# KiCad board PiEEG.kicad_pcb (continued)
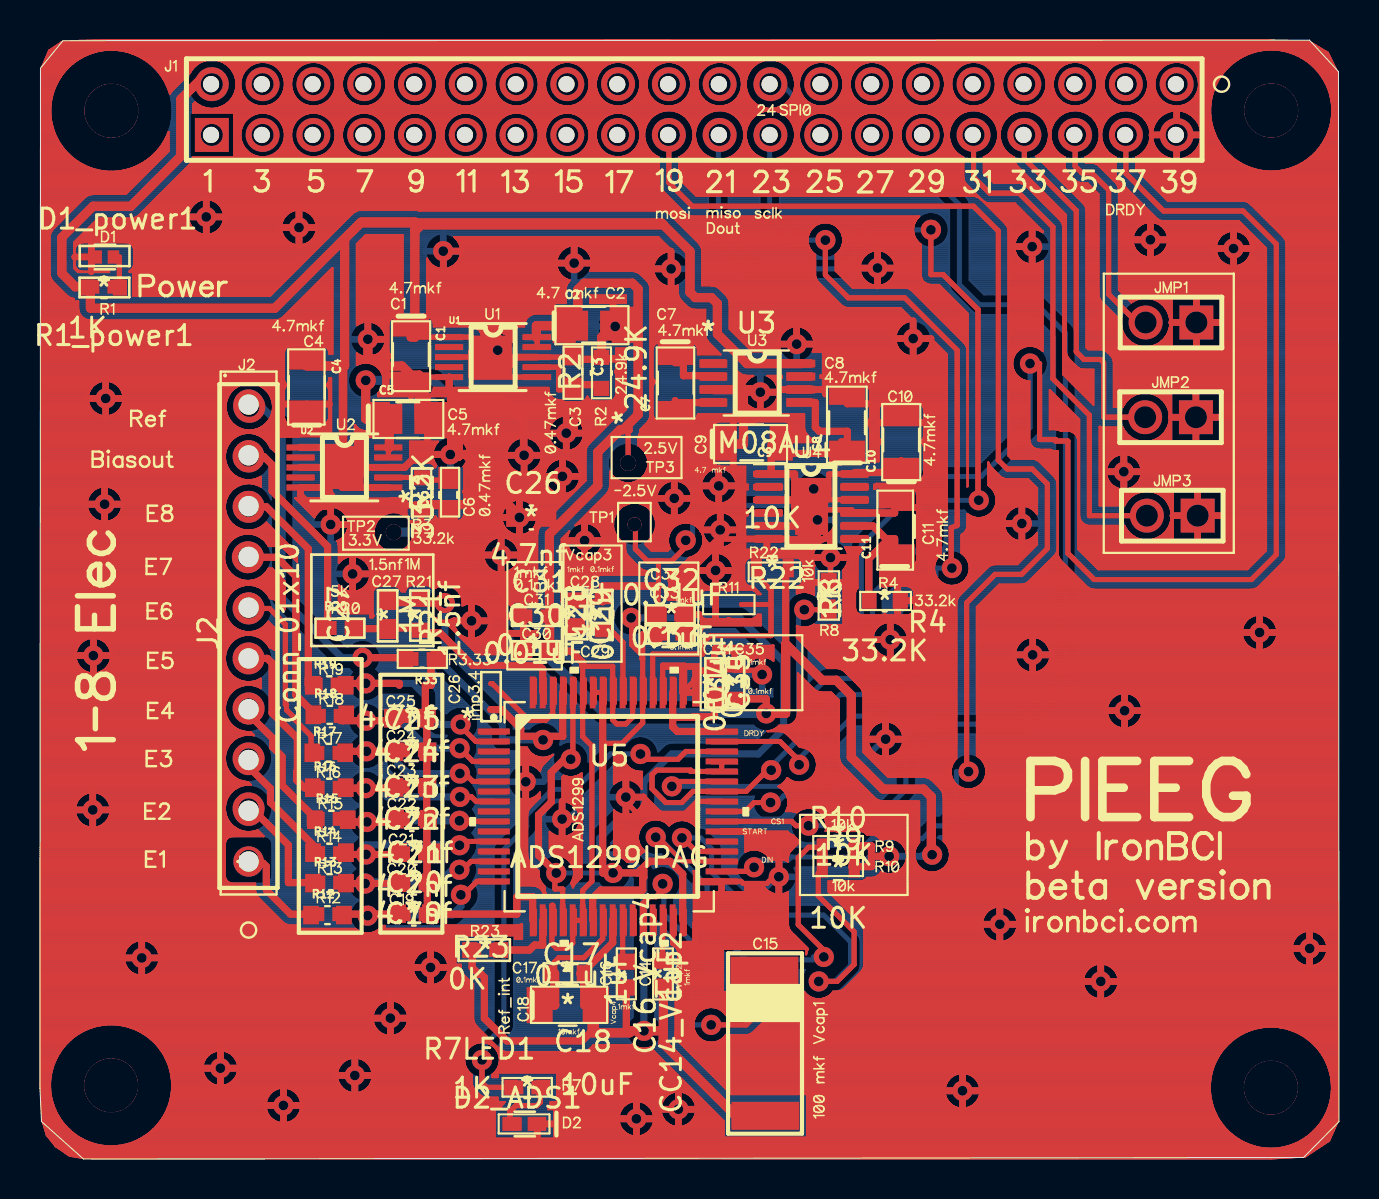
[diagram p0: board, top side]
## Routing (per net, layer and track width the routed paths; a pad name or vN(x,y) marks a point on that pad's centre or on a via; arc(x,y) is an arc through that point) (continued)
34.43,43.07 ; 34.41,43.11 34.43,43.07 ; 6.41,2.61 6.36,2.47 ; 6.41,2.61 6.36,2.47 ; 6.41,2.61 6.46,2.75 ; 6.41,2.61 6.46,2.75 ; 6.36,2.47 6.29,2.34 ; 6.36,2.47 6.29,2.34 ; 44.43,14.36 44.48,14.35 ; 44.43,14.36 44.48,14.35 ; 47.2,19.86 47.22,19.82 ; 47.2,19.86 47.22,19.82 ; 9.92,23.61 10.01,23.65 ; 9.92,23.61 9.83,23.57 ; 9.92,23.61 10.01,23.65 ; 9.92,23.61 9.83,23.57 ; 10.01,23.65 10.11,23.68 ; 10.01,23.65 10.11,23.68 ; 11.88,27.87 12.25,27.5 ; 11.88,27.87 11.81,27.93 ; 11.88,27.87 12.25,27.5 ; 11.88,27.87 11.81,27.93 ; 12.25,27.5 12.25,28.91 ; 12.25,27.5 12.25,28.91 ; 55.63,51.37 55.64,51.45 ; 55.63,51.37 55.62,51.29 ; 55.63,51.37 55.62,51.29 ; 55.63,51.37 55.64,51.45 ; 55.64,51.45 55.66,51.52 ; 55.64,51.45 55.66,51.52 ; 31.44,30.7 31.43,30.75 ; 31.44,30.7 31.43,30.75 ; 46.83,18.58 46.79,18.56 ; 46.83,18.58 46.88,18.6 ; 46.83,18.58 46.88,18.6 ; 46.83,18.58 46.79,18.56 ; 46.79,18.56 46.74,18.54 ; 46.79,18.56 46.74,18.54 ; 18.95,52.68 18.86,52.66 ; 18.95,52.68 19.05,52.7 ; 18.95,52.68 18.86,52.66 ; 18.95,52.68 19.05,52.7 ; 18.86,52.66 18.76,52.66 ; 18.86,52.66 18.76,52.66 ; 46.19,49.08 46.18,49.17 ; 46.19,49.08 46.19,49.04 ; 46.19,49.08 46.19,49.04 ; 46.19,49.08 46.18,49.17 ; 46.18,49.17 46.18,50.11 ; 46.18,49.17 46.18,50.11 ; 36.82,37.95 36.78,37.89 ; 36.82,37.95 36.78,37.89 ; 36.82,37.95 36.85,38.01 ; 36.82,37.95 36.85,38.01 ; 36.78,37.89 36.75,37.83 ; 36.78,37.89 36.75,37.83 ; 53.94,35.23 54.01,35.25 ; 53.94,35.23 54.01,35.25 ; 61.89,26.41 61.89,26.34 ; 61.89,26.41 61.88,26.48 ; 61.89,26.41 61.89,26.34 ; 61.89,26.41 61.88,26.48 ; 61.89,26.34 61.89,26.33 ; 61.89,26.34 61.89,26.33 ; 34.84,33.67 34.84,33.6 ; 34.84,33.67 34.84,33.68 ; 34.84,33.67 34.84,33.68 ; 34.84,33.67 34.84,33.6 ; 34.84,33.6 34.83,33.53 ; 34.84,33.6 34.83,33.53 ; 2,42.25 1.98,42.29 ; 2,42.25 2.03,42.21 ; 2,42.25 1.98,42.29 ; 2,42.25 2.03,42.21 ; 22.95,5.25 22.97,5.21 ; 22.95,5.25 22.93,5.3 ; 22.95,5.25 22.97,5.21 ; 22.95,5.25 22.93,5.3 ; 43.87,33.34 43.88,33.3 ; 43.87,33.34 43.88,33.3 ; 42.74,26.85 42.81,26.83 ; 42.74,26.85 42.81,26.83 ; 49.49,36.05 49.49,38.91 ; 49.49,36.05 49.49,38.91 ; 49.49,36.05 49.49,35.96 ; 49.49,36.05 49.49,35.96 ; 37.99,51.48 38.02,51.58 ; 37.99,51.48 37.97,51.38 ; 37.99,51.48 38.02,51.58 ; 37.99,51.48 37.97,51.38 ; 38.02,51.58 38.05,51.67 ; 38.02,51.58 38.05,51.67 ; 39.45,31.29 39.4,31.24 ; 39.45,31.29 39.4,31.24 ; 3.39,24.65 3.34,24.6 ; 3.39,24.65 3.43,24.71 ; 3.39,24.65 3.34,24.6 ; 3.39,24.65 3.43,24.71 ; 3.34,24.6 3.29,24.55 ; 3.34,24.6 3.29,24.55 ; 64.61,3.37 64.6,3.22 ; 64.61,3.37 64.6,3.22 ; 64.61,3.37 64.62,3.52 ; 64.61,3.37 64.62,3.52 ; 64.6,3.22 64.58,3.07 ; 64.6,3.22 64.58,3.07 ; 43.31,15.45 43.33,15.4 ; 43.31,15.45 43.33,15.4 ; 43.31,15.45 43.3,15.49 ; 43.31,15.45 43.3,15.49 ; 43.33,15.4 43.34,15.35 ; 43.33,15.4 43.34,15.35 ; 4.66,43.18 11.5,43.18 ; 4.66,43.18 4.66,44.37 ; 4.66,43.18 4.66,44.37 ; 4.66,43.18 11.5,43.18 ; 11.5,43.18 15.59,47.27 ; 11.5,43.18 15.59,47.27 ; 54.93,33.85 54.88,33.8 ; 54.93,33.85 54.88,33.8 ; 54.88,33.8 54.84,33.75 ; 54.88,33.8 54.84,33.75 ; 21.04,45.6 21.05,45.53 ; 21.04,45.6 21.05,45.53 ; 21.04,45.6 21.03,45.67 ; 21.04,45.6 21.03,45.67 ; 21.05,45.53 21.06,45.46 ; 21.05,45.53 21.06,45.46 ; 21,45.74 21.03,45.67 ; 21,45.74 20.98,45.8 ; 21,45.74 20.98,45.8 ; 21,45.74 21.03,45.67 ; 12.23,36.97 12.22,37.01 ; 12.23,36.97 12.25,36.93 ; 12.23,36.97 12.25,36.93 ; 12.23,36.97 12.22,37.01 ; 12.22,37.01 12.21,37.05 ; 12.22,37.01 12.21,37.05 ; 21.41,35.37 21.42,35.3 ; 21.41,35.37 21.4,35.44 ; 21.41,35.37 21.42,35.3 ; 21.41,35.37 21.4,35.44 ; 21.42,35.3 21.42,35.24 ; 21.42,35.3 21.42,35.24 ; 38.69,40.47 38.66,40.4 ; 38.69,40.47 38.66,40.4 ; 38.66,40.4 38.65,40.38 ; 38.66,40.4 38.65,40.38 ; 43.58,52.82 43.67,52.77 ; 43.58,52.82 43.67,52.77 ; 53.61,21.8 53.57,21.86 ; 53.61,21.8 53.66,21.76 ; 53.61,21.8 53.66,21.76 ; 53.61,21.8 53.57,21.86 ; 53.57,21.86 53.52,21.91 ; 53.57,21.86 53.52,21.91 ; 64.23,53.97 64.31,53.84 ; 64.23,53.97 64.31,53.84 ; 64.23,53.97 64.16,54.1 ; 64.23,53.97 64.16,54.1 ; 64.31,53.84 64.37,53.7 ; 64.31,53.84 64.37,53.7 ; 33.67,34.88 33.65,34.92 ; 33.67,34.88 33.68,34.85 ; 33.67,34.88 33.68,34.85 ; 33.67,34.88 33.65,34.92 ; 33.65,34.92 33.65,34.96 ; 33.65,34.92 33.65,34.96 ; 21.78,52.24 21.87,52.19 ; 21.78,52.24 21.69,52.28 ; 21.78,52.24 21.69,52.28 ; 21.78,52.24 21.87,52.19 ; 21.87,52.19 21.95,52.13 ; 21.87,52.19 21.95,52.13 ; 38.19,29.61 38.19,28.98 ; 38.19,29.61 38.19,28.98 ; 38.19,29.61 38.19,29.74 ; 38.19,29.61 38.19,29.74 ; 38.19,28.98 38.18,28.92 ; 38.19,28.98 38.18,28.92 ; 9.56,35.95 9.63,36.02 ; 9.56,35.95 9.5,35.87 ; 9.56,35.95 9.5,35.87 ; 9.56,35.95 9.63,36.02 ; 9.63,36.02 9.71,36.08 ; 9.63,36.02 9.71,36.08 ; 23.6,30.94 23.65,30.89 ; 23.6,30.94 23.65,30.89 ; 23.6,30.94 23.54,30.98 ; 23.6,30.94 23.54,30.98 ; 23.65,30.89 23.7,30.85 ; 23.65,30.89 23.7,30.85 ; 15.41,53 15.34,53.08 ; 15.41,53 15.34,53.08 ; 15.41,53 15.48,52.94 ; 15.41,53 15.48,52.94 ; 15.34,53.08 15.29,53.16 ; 15.34,53.08 15.29,53.16 ; 45.89,18.68 45.85,18.72 ; 45.89,18.68 45.93,18.65 ; 45.89,18.68 45.85,18.72 ; 45.89,18.68 45.93,18.65 ; 45.85,18.72 45.81,18.75 ; 45.85,18.72 45.81,18.75 ; 45.45,14.88 45.43,14.84 ; 45.45,14.88 45.43,14.84 ; 45.45,14.88 45.47,14.93 ; 45.45,14.88 45.47,14.93 ; 45.43,14.84 45.4,14.79 ; 45.43,14.84 45.4,14.79 ; 43.04,42.57 40.43,42.57 ; 43.04,42.57 43.68,41.94 ; 43.04,42.57 40.43,42.57 ; 43.04,42.57 43.68,41.94 ; 40.43,42.57 40.39,42.58 ; 40.43,42.57 40.39,42.58 ; 58.92,53.95 58.99,54.08 ; 58.92,53.95 58.99,54.08 ; 58.92,53.95 58.85,53.81 ; 58.92,53.95 58.85,53.81 ; 58.99,54.08 59.08,54.2 ; 58.99,54.08 59.08,54.2 ; 36.7,37.78 36.65,37.73 ; 36.7,37.78 36.75,37.83 ; 36.7,37.78 36.65,37.73 ; 36.7,37.78 36.75,37.83 ; 36.65,37.73 36.6,37.68 ; 36.65,37.73 36.6,37.68 ; 55.62,51.29 55.62,51.21 ; 55.62,51.29 55.62,51.21 ; 19.68,10.47 19.75,10.45 ; 19.68,10.47 19.61,10.47 ; 19.68,10.47 19.75,10.45 ; 19.68,10.47 19.61,10.47 ; 19.75,10.45 19.82,10.43 ; 19.75,10.45 19.82,10.43 ; 8.63,55.01 8.73,55 ; 8.63,55.01 8.53,55.01 ; 8.63,55.01 8.73,55 ; 8.63,55.01 8.53,55.01 ; 8.73,55 8.83,54.99 ; 8.73,55 8.83,54.99 ; 36.23,13.6 36.19,13.66 ; 36.23,13.6 36.27,13.55 ; 36.23,13.6 36.19,13.66 ; 36.23,13.6 36.27,13.55 ; 31.09,48.48 31.07,48.51 ; 31.09,48.48 31.07,48.51 ; 31.09,48.48 32.23,47.34 ; 31.09,48.48 32.23,47.34 ; 31.07,48.51 31.04,48.54 ; 31.07,48.51 31.04,48.54 ; 35.87,13.72 35.82,13.71 ; 35.87,13.72 35.92,13.73 ; 35.87,13.72 35.92,13.73 ; 35.87,13.72 35.82,13.71 ; 35.82,13.71 35.77,13.7 ; 35.82,13.71 35.77,13.7 ; 30.01,36.33 30,36.29 ; 30.01,36.33 30.02,36.36 ; 30.01,36.33 30,36.29 ; 30.01,36.33 30.02,36.36 ; 30,36.29 29.99,36.25 ; 30,36.29 29.99,36.25 ; 26.86,52.24 26.95,52.19 ; 26.86,52.24 26.95,52.19 ; 26.95,52.19 27.03,52.13 ; 26.95,52.19 27.03,52.13 ; 32.9,29.45 32.9,29.52 ; 32.9,29.45 32.9,29.38 ; 32.9,29.45 32.9,29.38 ; 32.9,29.45 32.9,29.52 ; 32.9,29.52 32.91,29.59 ; 32.9,29.52 32.91,29.59 ; 52.88,53.92 52.89,53.82 ; 52.88,53.92 52.89,53.82 ; 52.88,53.92 52.86,54.02 ; 52.88,53.92 52.86,54.02 ; 52.89,53.82 52.89,53.72 ; 52.89,53.82 52.89,53.72 ; 10.05,31.51 9.96,31.54 ; 10.05,31.51 9.96,31.54 ; 10.05,31.51 10.15,31.48 ; 10.05,31.51 10.15,31.48 ; 40.16,45.82 40.15,45.77 ; 40.16,45.82 40.17,45.87 ; 40.16,45.82 40.15,45.77 ; 40.16,45.82 40.17,45.87 ; 40.15,45.77 40.14,45.72 ; 40.15,45.77 40.14,45.72 ; 54.96,31.02 54.87,31.06 ; 54.96,31.02 54.87,31.06 ; 54.96,31.02 55.06,30.99 ; 54.96,31.02 55.06,30.99 ; 30.9,33.4 30.93,33.47 ; 30.9,33.4 30.88,33.34 ; 30.9,33.4 30.93,33.47 ; 30.9,33.4 30.88,33.34 ; 30.93,33.47 30.97,33.53 ; 30.93,33.47 30.97,33.53 ; 56.54,41.85 56.53,41.75 ; 56.54,41.85 56.53,41.75 ; 4.21,10.21 4.22,10.28 ; 4.21,10.21 4.2,10.14 ; 4.21,10.21 4.2,10.14 ; 4.21,10.21 4.22,10.28 ; 4.22,10.28 4.24,10.34 ; 4.22,10.28 4.24,10.34 ; 20.43,44.57 20.36,44.55 ; 20.43,44.57 20.49,44.59 ; 20.43,44.57 20.49,44.59 ; 20.43,44.57 20.36,44.55 ; 20.36,44.55 20.29,44.54 ; 20.36,44.55 20.29,44.54 ; 61.52,25.61 61.46,25.58 ; 61.52,25.61 61.46,25.58 ; 61.52,25.61 61.57,25.66 ; 61.52,25.61 61.57,25.66 ; 61.46,25.58 61.4,25.54 ; 61.46,25.58 61.4,25.54 ; 21.33,4.52 21.31,4.57 ; 21.33,4.52 21.36,4.48 ; 21.33,4.52 21.31,4.57 ; 21.33,4.52 21.36,4.48 ; 21.31,4.57 21.29,4.61 ; 21.31,4.57 21.29,4.61 ; 55.13,22.28 55.12,22.21 ; 55.13,22.28 55.14,22.35 ; 55.13,22.28 55.12,22.21 ; 55.13,22.28 55.14,22.35 ; 55.12,22.21 55.1,22.14 ; 55.12,22.21 55.1,22.14 ; 21.4,52.34 21.49,52.33 ; 21.4,52.34 21.3,52.35 ; 21.4,52.34 21.49,52.33 ; 21.4,52.34 21.3,52.35 ; 21.49,52.33 21.59,52.31 ; 21.49,52.33 21.59,52.31 ; 42.64,51.67 42.68,51.58 ; 42.64,51.67 42.68,51.58 ; 42.64,51.67 42.6,51.76 ; 42.64,51.67 42.6,51.76 ; 42.68,51.58 42.7,51.48 ; 42.68,51.58 42.7,51.48 ; 33.09,33.89 33.11,33.96 ; 33.09,33.89 33.11,33.96 ; 33.09,33.89 33.07,33.82 ; 33.09,33.89 33.07,33.82 ; 33.11,33.96 33.13,34.03 ; 33.11,33.96 33.13,34.03 ; 31.93,32.18 31.86,32.17 ; 31.93,32.18 31.86,32.17 ; 31.93,32.18 31.99,32.2 ; 31.93,32.18 31.99,32.2 ; 31.86,32.17 31.79,32.16 ; 31.86,32.17 31.79,32.16 ; 30.64,37.26 30.64,37.39 ; 30.64,37.26 30.65,37.2 ; 30.64,37.26 30.65,37.2 ; 30.64,37.26 30.64,37.39 ; 36.6,37.68 36.55,37.64 ; 36.6,37.68 36.55,37.64 ; 36.55,37.64 36.49,37.6 ; 36.55,37.64 36.49,37.6 ; 13.97,52.31 14.07,52.28 ; 13.97,52.31 13.87,52.33 ; 13.97,52.31 14.07,52.28 ; 13.97,52.31 13.87,52.33 ; 14.07,52.28 14.16,52.24 ; 14.07,52.28 14.16,52.24 ; 36.45,39.15 36.51,39.12 ; 36.45,39.15 36.38,39.18 ; 36.45,39.15 36.38,39.18 ; 36.45,39.15 36.51,39.12 ; 40.35,42.58 40.31,42.59 ; 40.35,42.58 40.39,42.58 ; 40.35,42.58 40.39,42.58 ; 40.35,42.58 40.31,42.59 ; 53.95,48.95 53.93,48.98 ; 53.95,48.95 55.8,47.1 ; 53.95,48.95 55.8,47.1 ; 53.95,48.95 53.93,48.98 ; 26.36,30.8 26.35,30.87 ; 26.36,30.8 26.37,30.73 ; 26.36,30.8 26.37,30.73 ; 26.36,30.8 26.35,30.87 ; 26.35,30.87 26.35,30.94 ; 26.35,30.87 26.35,30.94 ; 36.13,52.61 36.04,52.64 ; 36.13,52.61 36.23,52.58 ; 36.13,52.61 36.23,52.58 ; 36.13,52.61 36.04,52.64 ; 36.04,52.64 35.95,52.69 ; 36.04,52.64 35.95,52.69 ; 40.13,45.68 40.11,45.63 ; 40.13,45.68 40.14,45.72 ; 40.13,45.68 40.11,45.63 ; 40.13,45.68 40.14,45.72 ; 40.11,45.63 40.09,45.58 ; 40.11,45.63 40.09,45.58 ; 20.84,44.83 20.79,44.78 ; 20.84,44.83 20.88,44.88 ; 20.84,44.83 20.79,44.78 ; 20.84,44.83 20.88,44.88 ; 20.79,44.78 20.73,44.73 ; 20.79,44.78 20.73,44.73 ; 30.04,15.63 30.02,15.67 ; 30.04,15.63 30.02,15.67 ; 30.04,15.63 30.07,15.58 ; 30.04,15.63 30.07,15.58 ; 30.02,15.67 30,15.71 ; 30.02,15.67 30,15.71 ; 55.1,34.38 55.1,34.37 ; 55.1,34.38 55.1,34.45 ; 55.1,34.38 55.1,34.37 ; 55.1,34.38 55.1,34.45 ; 55.1,34.37 55.1,34.3 ; 55.1,34.37 55.1,34.3 ; 42.18,45.42 42.11,45.44 ; 42.18,45.42 42.11,45.44 ; 42.67,50.89 42.64,50.8 ; 42.67,50.89 42.7,50.99 ; 42.67,50.89 42.7,50.99 ; 42.67,50.89 42.64,50.8 ; 35.9,54.83 35.99,54.88 ; 35.9,54.83 35.99,54.88 ; 35.99,54.88 36.08,54.92 ; 35.99,54.88 36.08,54.92 ; 1.31,54.5 1.42,54.61 ; 1.31,54.5 1.42,54.61 ; 1.31,54.5 1.22,54.39 ; 1.31,54.5 1.22,54.39 ; 1.42,54.61 1.53,54.71 ; 1.42,54.61 1.53,54.71 ; 37.67,41.65 37.74,41.66 ; 37.67,41.65 37.74,41.66 ; 34.79,31.93 34.82,31.87 ; 34.79,31.93 34.75,31.99 ; 34.79,31.93 34.75,31.99 ; 34.79,31.93 34.82,31.87 ; 34.82,31.87 34.85,31.81 ; 34.82,31.87 34.85,31.81 ; 47.73,51.9 47.78,51.81 ; 47.73,51.9 47.68,51.98 ; 47.73,51.9 47.78,51.81 ; 47.73,51.9 47.68,51.98 ; 47.78,51.81 47.83,51.72 ; 47.78,51.81 47.83,51.72 ; 29.11,2.54 29.16,2.6 ; 29.11,2.54 29.16,2.6 ; 29.16,2.6 29.21,2.65 ; 29.16,2.6 29.21,2.65 ; 45.59,53.62 45.58,53.72 ; 45.59,53.62 45.61,53.53 ; 45.59,53.62 45.61,53.53 ; 45.59,53.62 45.58,53.72 ; 26.52,45.69 26.58,45.7 ; 26.52,45.69 26.45,45.67 ; 26.52,45.69 26.58,45.7 ; 26.52,45.69 26.45,45.67 ; 26.58,45.7 26.65,45.71 ; 26.58,45.7 26.65,45.71 ; 9.66,5.17 9.61,5.22 ; 9.66,5.17 9.61,5.22 ; 18.72,9.93 18.75,10 ; 18.72,9.93 18.69,9.87 ; 18.72,9.93 18.69,9.87 ; 18.72,9.93 18.75,10 ; 18.75,10 18.78,10.06 ; 18.75,10 18.78,10.06 ; 2.94,37.23 2.87,37.26 ; 2.94,37.23 2.87,37.26 ; 2.94,37.23 3,37.2 ; 2.94,37.23 3,37.2 ; 2.87,37.26 2.81,37.29 ; 2.87,37.26 2.81,37.29 ; 37.19,41.38 37.24,41.43 ; 37.19,41.38 37.15,41.32 ; 37.19,41.38 37.24,41.43 ; 37.19,41.38 37.15,41.32 ; 37.24,41.43 37.3,41.47 ; 37.24,41.43 37.3,41.47 ; 37.41,21.22 38.01,20.62 ; 37.41,21.22 37.34,21.28 ; 37.41,21.22 38.01,20.62 ; 37.41,21.22 37.34,21.28 ; 38.01,20.62 38.07,20.61 ; 38.01,20.62 38.07,20.61 ; 54.46,23.3 54.53,23.28 ; 54.46,23.3 54.53,23.28 ; 43.25,14.72 43.23,14.67 ; 43.25,14.72 43.28,14.76 ; 43.25,14.72 43.23,14.67 ; 43.25,14.72 43.28,14.76 ; 43.23,14.67 43.2,14.63 ; 43.23,14.67 43.2,14.63 ; 33.37,7.58 33.42,7.59 ; 33.37,7.58 33.32,7.57 ; 33.37,7.58 33.42,7.59 ; 33.37,7.58 33.32,7.57 ; 33.42,7.59 33.47,7.6 ; 33.42,7.59 33.47,7.6 ; 40.5,51.18 40.5,51.28 ; 40.5,51.18 40.51,51.08 ; 40.5,51.18 40.5,51.28 ; 40.5,51.18 40.51,51.08 ; 11.19,30.98 11.26,30.91 ; 11.19,30.98 11.26,30.91 ; 16.51,52.7 16.41,52.68 ; 16.51,52.7 16.41,52.68 ; 9.63,38.47 9.71,38.54 ; 9.63,38.47 9.57,38.4 ; 9.63,38.47 9.71,38.54 ; 9.63,38.47 9.57,38.4 ; 9.71,38.54 9.79,38.6 ; 9.71,38.54 9.79,38.6 ; 28.58,36.92 28.62,36.95 ; 28.58,36.92 27.5,35.84 ; 28.58,36.92 27.5,35.84 ; 28.58,36.92 28.62,36.95 ; 28.62,36.95 28.66,36.98 ; 28.62,36.95 28.66,36.98 ; 56.1,33.18 56.18,33.12 ; 56.1,33.18 56.18,33.12 ; 56.1,33.18 56.02,33.24 ; 56.1,33.18 56.02,33.24 ; 56.18,33.12 56.25,33.05 ; 56.18,33.12 56.25,33.05 ; 25.1,13.45 25.13,13.42 ; 25.1,13.45 25.13,13.42 ; 25.13,13.42 25.15,13.38 ; 25.13,13.42 25.15,13.38 ; 57.05,52.68 57.15,52.7 ; 57.05,52.68 57.15,52.7 ; 22.36,51.58 22.38,51.48 ; 22.36,51.58 22.32,51.67 ; 22.36,51.58 22.32,51.67 ; 22.36,51.58 22.38,51.48 ; 22.38,51.48 22.4,51.38 ; 22.38,51.48 22.4,51.38 ; 41.98,17.93 41.94,17.94 ; 41.98,17.93 41.94,17.94 ; 41.98,17.93 42.03,17.91 ; 41.98,17.93 42.03,17.91 ; 41.94,17.94 41.89,17.96 ; 41.94,17.94 41.89,17.96 ; 47.98,34.2 47.57,34.61 ; 47.98,34.2 48.04,34.13 ; 47.98,34.2 48.04,34.13 ; 47.98,34.2 47.57,34.61 ; 47.57,34.61 47.54,34.63 ; 47.57,34.61 47.54,34.63 ; 48.26,32.07 48.29,32.13 ; 48.26,32.07 48.29,32.13 ; 29.99,44.31 30.03,44.28 ; 29.99,44.31 29.95,44.34 ; 29.99,44.31 30.03,44.28 ; 29.99,44.31 29.95,44.34 ; 30.03,44.28 30.1,44.21 ; 30.03,44.28 30.1,44.21 ; 56.34,37.73 56.39,37.65 ; 56.34,37.73 56.39,37.65 ; 52.68,49.84 52.72,49.83 ; 52.68,49.84 52.64,49.84 ; 52.68,49.84 52.64,49.84 ; 52.68,49.84 52.72,49.83 ; 31.97,43.08 31.95,43.13 ; 31.97,43.08 31.99,43.04 ; 31.97,43.08 31.99,43.04 ; 31.97,43.08 31.95,43.13 ; 31.95,43.13 31.93,43.17 ; 31.95,43.13 31.93,43.17 ; 38.57,19.06 38.53,19.03 ; 38.57,19.06 38.6,19.09 ; 38.57,19.06 38.53,19.03 ; 38.57,19.06 38.6,19.09 ; 38.53,19.03 38.49,19 ; 38.53,19.03 38.49,19 ; 9.64,53.11 9.58,53.03 ; 9.64,53.11 9.58,53.03 ; 9.64,53.11 9.69,53.2 ; 9.64,53.11 9.69,53.2 ; 9.58,53.03 9.52,52.95 ; 9.58,53.03 9.52,52.95 ; 20.23,26.84 20.27,26.82 ; 20.23,26.84 20.27,26.82 ; 20.23,26.84 20.18,26.86 ; 20.23,26.84 20.18,26.86 ; 20.27,26.82 20.3,26.8 ; 20.27,26.82 20.3,26.8 ; 30.87,40.84 30.93,40.86 ; 30.87,40.84 30.93,40.86 ; 30.87,40.84 30.82,40.82 ; 30.87,40.84 30.82,40.82 ; 30.93,40.86 30.99,40.87 ; 30.93,40.86 30.99,40.87 ; 26.19,33.26 26.26,33.27 ; 26.19,33.26 26.26,33.27 ; 37.61,36.42 37.61,35.86 ; 37.61,36.42 37.61,35.86 ; 37.61,36.42 37.61,36.55 ; 37.61,36.42 37.61,36.55 ; 34.42,30.67 34.36,30.65 ; 34.42,30.67 34.48,30.71 ; 34.42,30.67 34.48,30.71 ; 34.42,30.67 34.36,30.65 ; 34.36,30.65 34.29,30.62 ; 34.36,30.65 34.29,30.62 ; 48.82,39.24 48.86,39.2 ; 48.82,39.24 48.86,39.2 ; 64.51,4.4 64.54,4.25 ; 64.51,4.4 64.54,4.25 ; 35.34,53.45 35.32,53.55 ; 35.34,53.45 35.37,53.36 ; 35.34,53.45 35.37,53.36 ; 35.34,53.45 35.32,53.55 ; 35.32,53.55 35.31,53.65 ; 35.32,53.55 35.31,53.65 ; 17.01,7.77 17.07,7.81 ; 17.01,7.77 17.07,7.81 ; 17.01,7.77 16.95,7.73 ; 17.01,7.77 16.95,7.73 ; 17.07,7.81 17.13,7.85 ; 17.07,7.81 17.13,7.85 ; 19.24,52.24 19.33,52.19 ; 19.24,52.24 19.15,52.28 ; 19.24,52.24 19.15,52.28 ; 19.24,52.24 19.33,52.19 ; 19.33,52.19 19.41,52.13 ; 19.33,52.19 19.41,52.13 ; 33.09,7.47 33.14,7.49 ; 33.09,7.47 33.14,7.49 ; 25.07,13.83 25.04,13.88 ; 25.07,13.83 25.1,13.79 ; 25.07,13.83 25.04,13.88 ; 25.07,13.83 25.1,13.79 ; 25.04,13.88 25.02,13.92 ; 25.04,13.88 25.02,13.92 ; 57.84,53.25 57.79,53.16 ; 57.84,53.25 57.88,53.34 ; 57.84,53.25 57.79,53.16 ; 57.84,53.25 57.88,53.34 ; 57.79,53.16 57.73,53.08 ; 57.79,53.16 57.73,53.08 ; 54.29,31.59 54.24,31.68 ; 54.29,31.59 54.34,31.5 ; 54.29,31.59 54.34,31.5 ; 54.29,31.59 54.24,31.68 ; 45.43,15.62 45.45,15.57 ; 45.43,15.62 45.4,15.66 ; 45.43,15.62 45.4,15.66 ; 45.43,15.62 45.45,15.57 ; 45.45,15.57 45.46,15.52 ; 45.45,15.57 45.46,15.52 ; 40.53,54.02 40.56,54.12 ; 40.53,54.02 40.51,53.92 ; 40.53,54.02 40.51,53.92 ; 40.53,54.02 40.56,54.12 ; 40.56,54.12 40.59,54.21 ; 40.56,54.12 40.59,54.21 ; 25.9,37.97 25.86,37.98 ; 25.9,37.97 26.01,37.97 ; 25.9,37.97 26.01,37.97 ; 25.9,37.97 25.86,37.98 ; 25.86,37.98 25.82,37.99 ; 25.86,37.98 25.82,37.99 ; 24.37,17.22 24.38,17.26 ; 24.37,17.22 24.37,15.25 ; 24.37,17.22 24.38,17.26 ; 24.37,17.22 24.37,15.25 ; 24.38,17.26 24.38,17.31 ; 24.38,17.26 24.38,17.31 ; 53.12,36.61 53.08,36.61 ; 53.12,36.61 53.16,36.6 ; 53.12,36.61 53.16,36.6 ; 53.12,36.61 53.08,36.61 ; 9.56,25.85 9.63,25.92 ; 9.56,25.85 9.5,25.77 ; 9.56,25.85 9.63,25.92 ; 9.56,25.85 9.5,25.77 ; 9.63,25.92 9.71,25.98 ; 9.63,25.92 9.71,25.98 ; 39.29,16.41 39.76,16.41 ; 39.29,16.41 39.31,16.48 ; 39.29,16.41 39.76,16.41 ; 39.29,16.41 39.31,16.48 ; 43.98,37.84 44.01,37.82 ; 43.98,37.84 44.01,37.82 ; 43.98,37.84 43.94,37.85 ; 43.98,37.84 43.94,37.85 ; 44.01,37.82 44.05,37.8 ; 44.01,37.82 44.05,37.8 ; 16.95,11.48 16.91,11.45 ; 16.95,11.48 16.98,11.51 ; 16.95,11.48 16.91,11.45 ; 16.95,11.48 16.98,11.51 ; 16.91,11.45 16.86,11.42 ; 16.91,11.45 16.86,11.42 ; 25.03,34.86 25,34.8 ; 25.03,34.86 25,34.8 ; 25.03,34.86 25.06,34.92 ; 25.03,34.86 25.06,34.92 ; 25,34.8 24.97,34.73 ; 25,34.8 24.97,34.73 ; 17.39,7.93 17.46,7.94 ; 17.39,7.93 17.46,7.94 ; 17.39,7.93 17.33,7.92 ; 17.39,7.93 17.33,7.92 ; 17.46,7.94 17.53,7.94 ; 17.46,7.94 17.53,7.94 ; 35.95,52.69 35.86,52.74 ; 35.95,52.69 35.86,52.74 ; 40.42,30.22 40.43,30.15 ; 40.42,30.22 40.43,30.15 ; 40.43,30.15 40.43,30.09 ; 40.43,30.15 40.43,30.09 ; 51.2,52.82 51.12,52.87 ; 51.2,52.82 51.12,52.87 ; 51.2,52.82 51.29,52.77 ; 51.2,52.82 51.29,52.77 ; 51.12,52.87 51.04,52.94 ; 51.12,52.87 51.04,52.94 ; 38.48,8.13 38.44,8.16 ; 38.48,8.13 38.52,8.1 ; 38.48,8.13 38.52,8.1 ; 38.48,8.13 38.44,8.16 ; 38.44,8.16 38.4,8.19 ; 38.44,8.16 38.4,8.19 ; 16.47,28.96 16.44,28.89 ; 16.47,28.96 16.49,29.02 ; 16.47,28.96 16.44,28.89 ; 16.47,28.96 16.49,29.02 ; 42.58,33.63 43.53,33.63 ; 42.58,33.63 41.98,33.63 ; 42.58,33.63 43.53,33.63 ; 42.58,33.63 41.98,33.63 ; 44.23,43.85 44.2,43.88 ; 44.23,43.85 44.2,43.88 ; 44.23,43.85 44.27,43.83 ; 44.23,43.85 44.27,43.83 ; 44.2,43.88 44.18,43.91 ; 44.2,43.88 44.18,43.91 ; 32.54,53.53 32.51,53.43 ; 32.54,53.53 32.51,53.43 ; 32.54,53.53 32.56,53.62 ; 32.54,53.53 32.56,53.62 ; 32.51,53.43 32.48,53.34 ; 32.51,53.43 32.48,53.34 ; 18.95,50.14 19.05,50.16 ; 18.95,50.14 19.05,50.16 ; 12.19,53.43 12.16,53.34 ; 12.19,53.43 12.22,53.53 ; 12.19,53.43 12.22,53.53 ; 12.19,53.43 12.16,53.34 ; 12.16,53.34 12.12,53.25 ; 12.16,53.34 12.12,53.25 ; 31.11,2.16 31.08,2.22 ; 31.11,2.16 31.14,2.09 ; 31.11,2.16 31.14,2.09 ; 31.11,2.16 31.08,2.22 ; 31.08,2.22 31.06,2.29 ; 31.08,2.22 31.06,2.29 ; 55.8,50.6 55.76,50.67 ; 55.8,50.6 55.84,50.53 ; 55.8,50.6 55.76,50.67 ; 55.8,50.6 55.84,50.53 ; 55.76,50.67 55.72,50.74 ; 55.76,50.67 55.72,50.74 ; 52.59,50.31 52.51,50.24 ; 52.59,50.31 52.51,50.24 ; 52.59,50.31 52.66,50.38 ; 52.59,50.31 52.66,50.38 ; 52.51,50.24 52.43,50.19 ; 52.51,50.24 52.43,50.19 ; 16.82,28.61 16.87,28.64 ; 16.82,28.61 16.77,28.58 ; 16.82,28.61 16.87,28.64 ; 16.82,28.61 16.77,28.58 ; 16.87,28.64 16.93,28.66 ; 16.87,28.64 16.93,28.66 ; 38.89,46.77 38.94,46.79 ; 38.89,46.77 38.94,46.79 ; 38.89,46.77 38.85,46.75 ; 38.89,46.77 38.85,46.75 ; 38.94,46.79 38.99,46.81 ; 38.94,46.79 38.99,46.81 ; 38.62,35.98 38.55,36.05 ; 38.62,35.98 38.65,35.96 ; 38.62,35.98 38.55,36.05 ; 38.62,35.98 38.65,35.96 ; 38.55,36.05 38.38,36.22 ; 38.55,36.05 38.38,36.22 ; 41.04,52.82 40.96,52.87 ; 41.04,52.82 40.96,52.87 ; 41.04,52.82 